# Altium PCB BMS.PcbDoc (part 2 of 3)
Units mm, origin at the board's own origin, x right, y up, seen from the top; angles counter-clockwise.
Board outline 90.28 x 95.99 mm, 8 copper layers (Top Layer (SIG), Layer 1 (GND, Layer 2 (SIG), Layer 3 (PWR), Layer 4 (PWR), Layer 5 (SIG), Layer 6 (GND), Bottom Layer (SIG)), stack 1.028 mm thick; 233 components, 137 nets, 697 pads, 625 vias.
Unrouted connection lines stored in the file: 2.
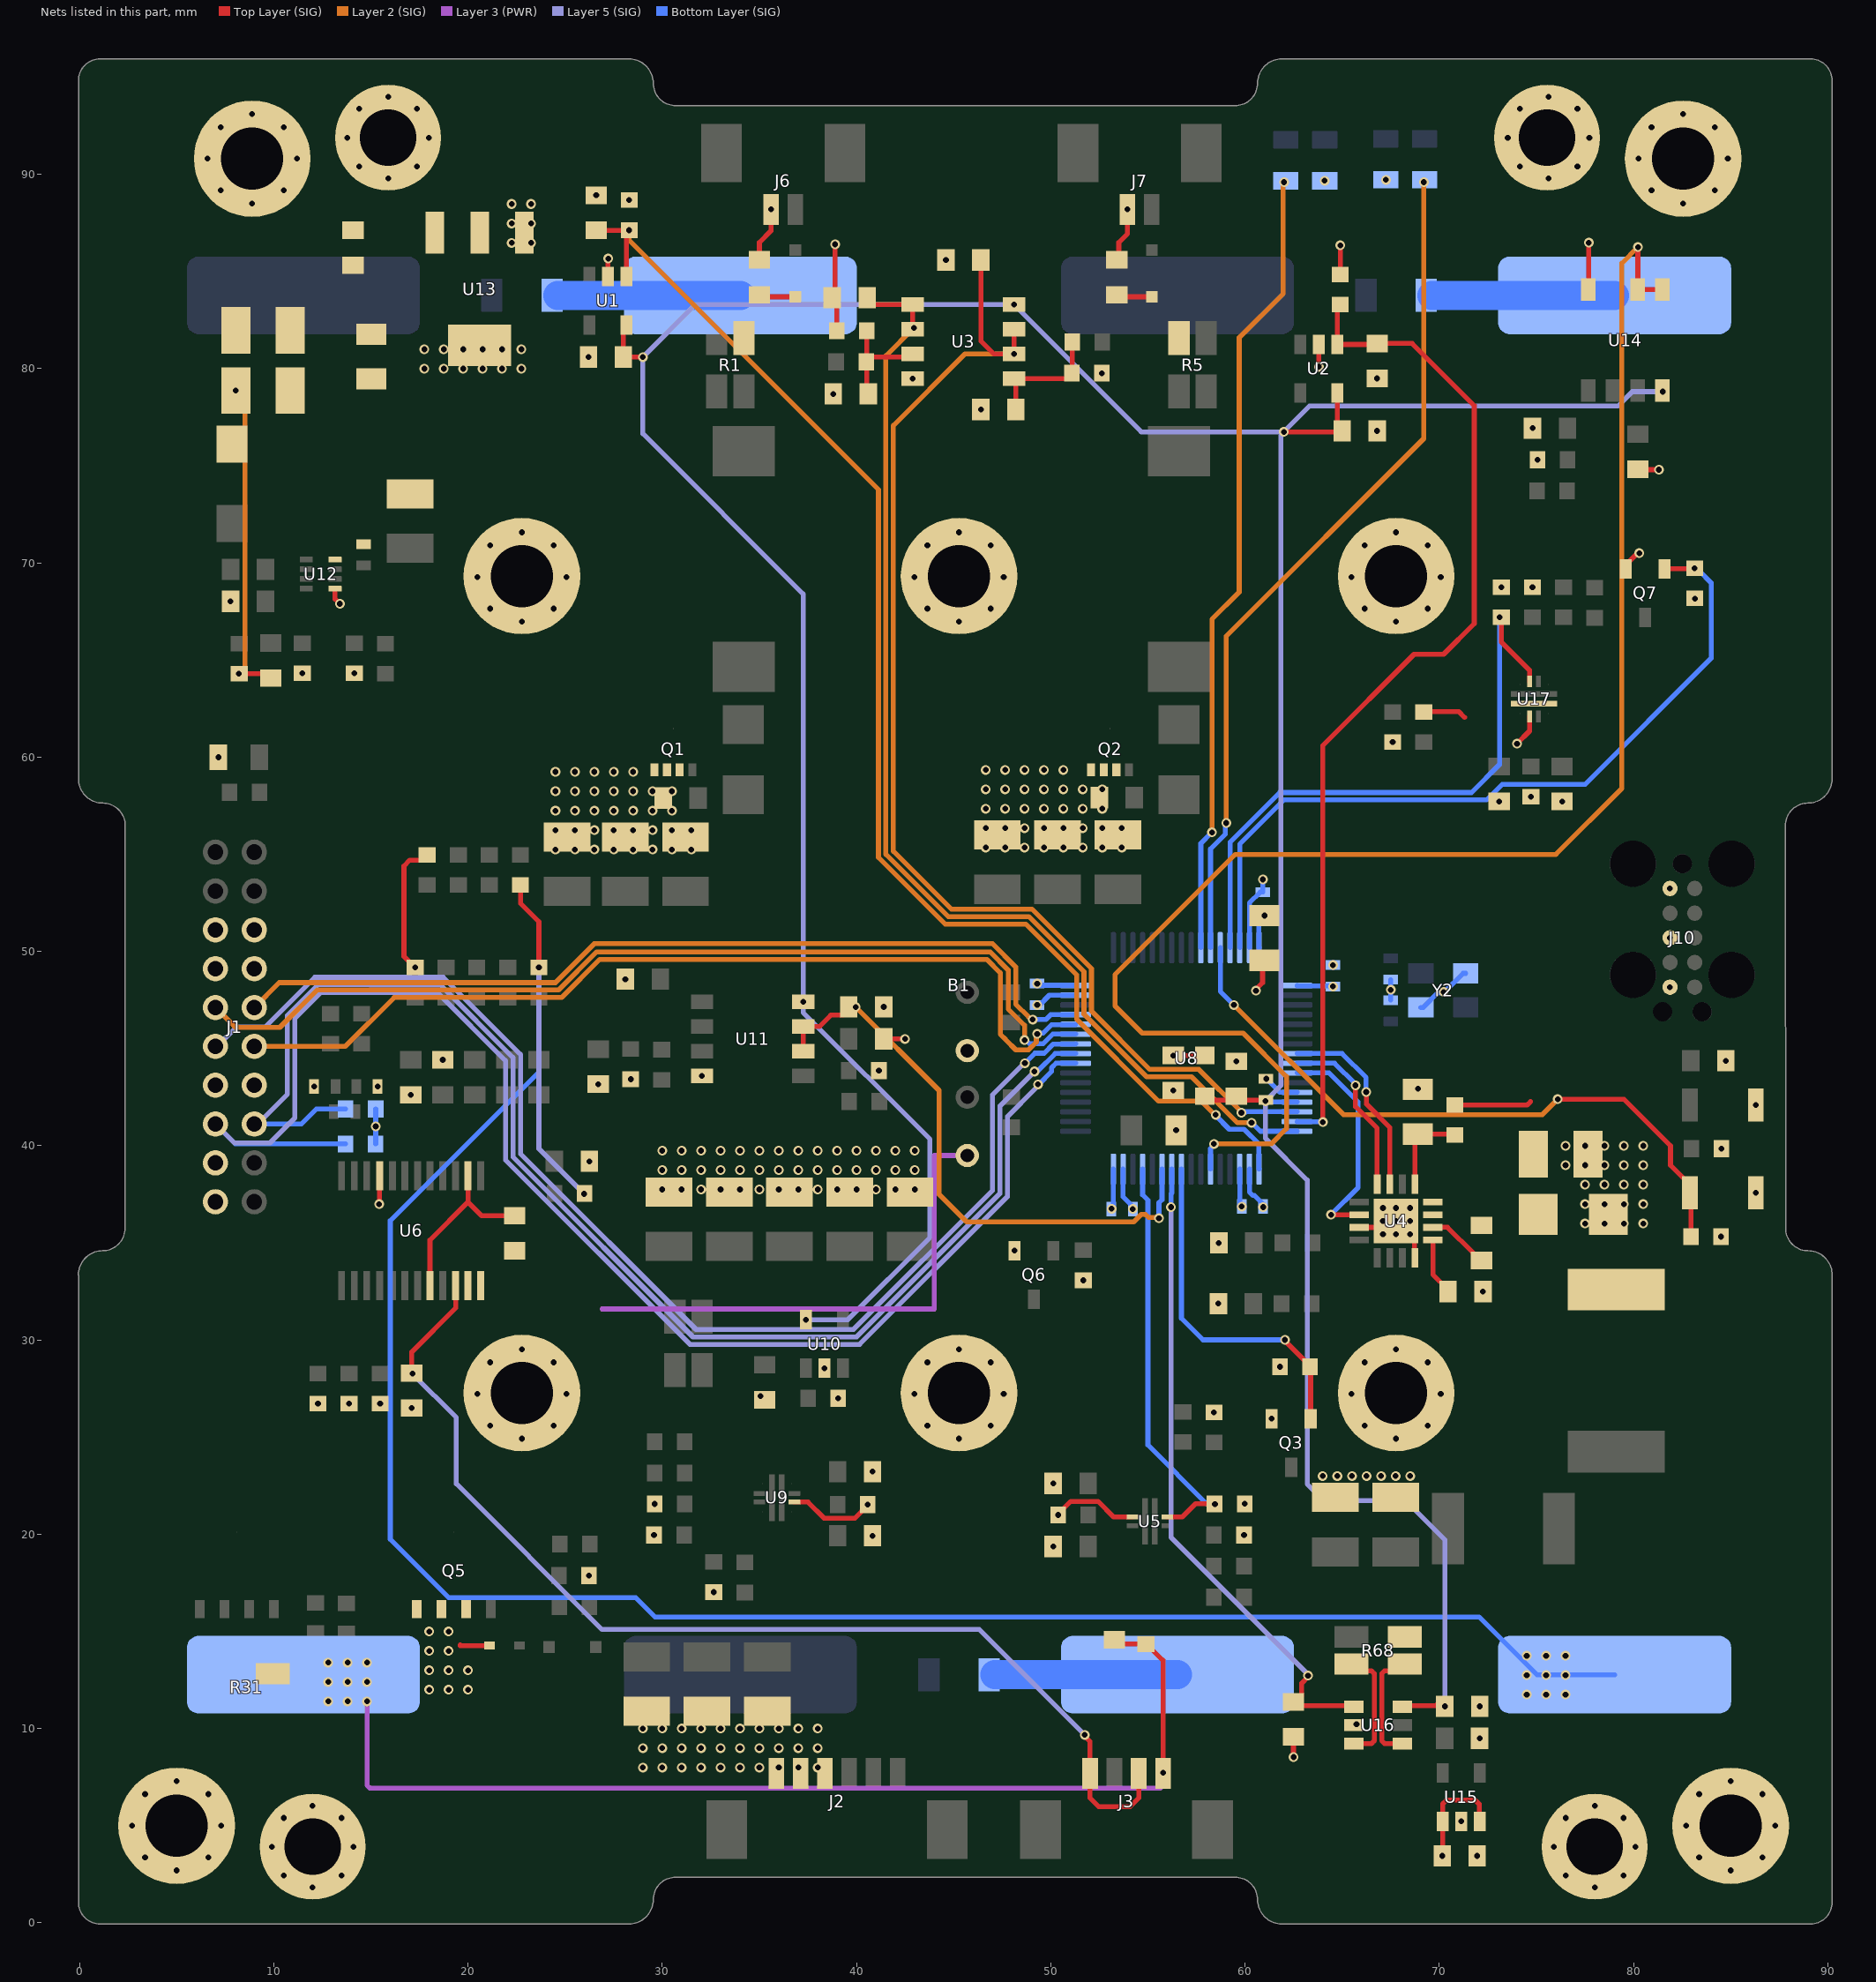
[diagram p8: the nets of this part, all layers, seen from the top]

## Part data (continued)
C69 C70: library part CAPC0603, "1 µF ±10% 16V Ceramic Capacitor X7R 0603 (1608 Metric)", Capacitance=1uF, Case Code=0603, Distributor Part Number=1276-1019-1-ND, Tolerance=10%, Voltage Rating=16V, Distributor=Digikey, Manufacturer Part Number=CL10B105KO8NNNC
C82 C84 C86: "100nF 50V X7R ±10% 0603 Multilayer Ceramic Capacitors MLCC - SMD/SMT ROHS", Capacitance=100nF, Case Code=0603, Dielectric=X7R, Distributor Part Number=C14663, Tolerance=10%, Voltage Rating=50V, Distributor=JLCPCB, Part Number=CC0603KRX7R9BB104
D1 D3: "Diode Schottky 20V 2A Fast Recovery", Current - Average=2A, Distributor Part Number=SMD22WS-TPMSCT-ND, fORWARD vOLTAGE=550mV, Operating Temperature="-55°C ~ 125°C", Voltage - DC Reverse=20V, Distributor=Digikey, Part Number=SMD22WS-TP
D2 D4 D5: "Diode Schottky 40V 3A 450mV FVf Fast Recovery", Current - Average Rectified=3A, Distributor Part Number=B340LA-FDICT-ND, Operating Temperature="-55°C ~ 125°C", Voltage - DC Reverse (Max)=40V, Voltage - Foward=450mV, Distributor=Digikey, Part Number=B340LA-13-F
D6: "Small Signal Switching Diode 150V 200mW", Distributor Part Number=C151448, Operating Temperature="-55 to 150C", Part Number=BAV20WS-7-F, Distributor=JLCPCB, Ifsm=3@100us, Ir (Max)=100n, Vr (Max)=200
D7: "Zener Diode 12 V 300 mW ±5% Surface Mount SOD-523", Distributor Part Number=C507911, Operating Temperature="-65°C ~ 150°C", Power - Max=300mW, Voltage - Zener=12V, Distributor=JLCPCB, Part Number=BZT52C12T-7
D8: library part LEDR0805, "Red 621nm LED Indication - Discrete 2V 0805 (2012 Metric)", Colour=Red, Distributor Part Number=160-1178-1-ND, Distributor=Digikey, Manufacturer Part Number=LTST-C170EKT
D9: library part LEDG0805, "Green 569nm LED Indication - Discrete 2.1V 0805 (2012 Metric)", Colour=Green, Distributor Part Number=160-1179-1-ND, Distributor=Digikey, Manufacturer Part Number=LTST-C170GKT
D10: "Red 631nm LED Indication - Discrete 2V 0805 (2012 Metric)", Colour=Red, Distributor Part Number=160-1427-1-ND, Operating Temperature=-30℃~+85℃, Distributor=Digikey, Part Number=LTST-C171KRKT
F1 F2 F3: library part SF-1206SA300W-2, "Fuse Surface Mount 5A Slow Blow 50A Interrupt 1206", Breaking Capacity=50A, Current Rating=5A, Distributor Part Number=118-SF-1206SA500W-2CT-ND, Interrupt Rating="50A at 125VAC 50A at 125VDC", Max Temperature=125C, Min Temperature=-55C, Voltage Rating - DC=65V, Distributor=Digikey, Fuse Size="9.73 mm x 5.03 mm", Part Number=SF-1206SA500W-2
FB1: "Ferrite Bead 320 Ohms @ 100 MHz 1 Ferrite Bead 0805 (2012 Metric) 2.5A 50mOhm", Current Rating=2.5A, Distributor Part Number=732-6125-1-ND, Operating Temperature="-55°C ~ 125°C", DCR=50mOhm, Distributor=Digikey, Impedance="320 Ohms @ 100 MHz", Part Number=74279220321
J1: "Connector Self Mating 20 Position , Non-Gendered, Hermaphroditic Through Hole Gold", Contact Rating=3.2A, Distributor Part Number=SAM9665-ND, Operating Temperature="-55C ~ 125C", Voltage Rating=475VAC, Distributor=Digikey, Number of Positions=20, Number of Rows=2, Part Number=LS2-110-01-L-D
J2: "Connector Header Surface Mount, Right Angle 6 position 0.049\" (1.25mm) Picoblade", Contact Current (Max)=1A, Distributor Part Number=C225115, Material Flammability Rating="UL94 V-0", Distributor=JLCPCB, Number of Positions=6, Part Number=0532610671
J3: "Connector Header Surface Mount, Right Angle 4 position 0.049\" (1.25mm) Molex Picoblade", Distributor Part Number=C225113, Max Current Per Contact=1A, Distributor=JLCPCB, Number of Positions=4, Number of Rows=2, Part Number=0532610471
J6 J7: "Connector Header, Picoblade Surface Mount, Right Angle 2 position 0.049\" (1.25mm)", Distributor Part Number=WM7620CT-ND, Max Current Per Contact=1A, Distributor=Digikey, Number of Positions=2, Number of Rows=1, Part Number=0532610271
J10: "JTAG Pogo Programmer Pads", Programmer Part Number=TC2050-IDC
L1 L2: "Inductor 100uH Shielded Drum Core, 1.9A 148mOhm", Current Rating=1.9A, DC Resistance=148mOhm, Distributor Part Number=445-174227-1-ND, Inductance=100uH, Operating Temperature="-20°C ~ 105°C", Saturation Current=1.6A, Distributor=Digikey, Part Number=SLF12565T-101M1R6-PF
L3: "Inductor 10 µH , 4.4 A 30.4mOhm Max Shielded Drum Core", Current Rating=4.4A, Distributor Part Number=490-10846-1-ND, Inductance=10uH, Part Number=1274AS-H-100M=P3, Saturation Current=6.2A, DCR=30.4mOhm, Distributor=Digikey
L4: "Inductor 5.6uH 4.5A Shielded 28.5mOhm SMD", Current Rating=4.5A, Distributor Part Number=732-6183-1-ND, Saturation Current=4.6A, DCR=28.5mOhm, Distributor=Digikey, Part Number=744316560
MECH5 MECH6 MECH7 MECH8 MECH9 MECH10: library part "M3x0.5px8mm Bolt", "M3 x 0.50p x 8mm Full Thread Metric Coarse Socket Head Cap Screw (2.5mm Key) A4-70 Stainless G316 DIN 912 / ISO 4762", Distributor Part Number="M3 x 0.50p x 8mm", Distributor="Bolt and Nut Australia", Part Number="M3 x 0.50p x 8mm"
Q1 Q2: "N-MOSFET 40 V , 85 A, 3.8 mΩ Rds(on) @ 10 V, WDFN-8 3.3×3.3 mm, low Qg (~18 nC)", Current - Continuous Drain (Id)=20A, Manufacturer=Onsemi, Operating Temperature="-55°C ~ 175°C", Part Number=NTTFS5C454NL, Power Dissipation (Max) (Ta)=3.2W, ComponentLink1Description=Datasheet, ComponentLink1URL=https://www.onsemi.com/pdf/datasheet/nttfs5c454nl-d.pdf, Gate Charge (Qg) (Max) @ Vgs="18nC @ 10V", Rds On (Max)=3.8mOhm, Vdss=40V, Vgs (Max)=20V
Q3 Q6 Q7: "N-Channel 60 V 200mA (Ta) 320mW (Ta) Surface Mount SOT-23-3", Distributor Part Number=T2N7002AKLMCT-ND, Drain to Source Voltage=60V, Operating Temperature="-55C - 150C", Power Dissipation (Max)="320mW (Ta)", (Id) @ 25°C=200mA, Distributor=Digikey, Part Number=T2N7002AK,LM, Rds On (Max) @ Id, Vgs=3.9ohm, Vgs(th) (Max) @ Id="2.1V @ 250µA"
Q4 Q5: "80V N-Channel 23A (Ta), 100A (Tc) 2.5W (Ta), 156W (Tc) Surface Mount PG-TDSON-8-6", Distributor Part Number=C5955453, Drive Voltage=6V~10V, Operating Temperature="-55°C ~ 150°C (TJ)", Power Dissipation=3.1W, Power Dissipation (Max)="2.5W (Ta), 156W (Tc)", Distributor=JLCPCB, Id=23, Manufacturer Part Number=BSC026N08NS5, Qg=92nC@10V, Rds On (Max) @ Id, Vgs="2.6mOhm @ 50A, 10V", Vds (Max)=4, Vgs (Max)=20, Vth=3.8V
R1 R5 R58 R68: "Resistor, Current Sense 50 mOhms ±0.25% 0.5W, Moisture Resistant Thick Film", Manufacturer=Ohmite, Power=0.5W, Resistance=50mOhm, Temperature Coefficient=±50ppm/°C, Tolerance=0.25%, Part Number=LVK12R050CER
R2 R6: "27 kOhms ±1% 0.1W, 1/10W Chip Resistor 0603 (1608 Metric) Automotive AEC-Q200 Thick Film", Case Code=0603, Distributor Part Number=RMCF0603FT27K0CT-ND, Resistance=27K, Tolerance=1%, Distributor=Digikey, Part Number=RMCF0603FT27K0
R3 R7 R10 R38 R40 R55 R61 R63 R65 R67 R78 R79 R80 R81: "10 kOhms ±1% 0.1W, 1/10W Chip Resistor 0603 (1608 Metric) Automotive AEC-Q200 Thick Film", Case Code=0603, Distributor Part Number=RMCF0603FT10K0CT-ND, Resistance=10K, Tolerance=1%, Distributor=Digikey, Part Number=RMCF0603FT10K0
R4 R8 R44 R45 R57 R59: "100 kOhms ±1% 0.1W, 1/10W Chip Resistor 0603 (1608 Metric) Automotive AEC-Q200 Thick Film", Case Code=0603, Distributor Part Number=RMCF0603FT100KCT-ND, Resistance=100K, Tolerance=1%, Distributor=Digikey, Part Number=RMCF0603FT100K
R9: "10 Ohms ±1% 0.1W, 1/10W Chip Resistor 0603 (1608 Metric) Automotive AEC-Q200 Thick Film", Case Code=0603, Distributor Part Number=RMCF0603FT10R0CT-ND, Resistance=10R, Tolerance=1%, Distributor=Digikey, Part Number=RMCF0603FT10R0
R11 R41: "NTC Thermistor 10k Probe", Distributor Part Number=1912-TT6-10KC8-9-25-ND, Operating Temperature="-30°C ~ 120°C", Resistance @ 25C=10k, Distributor=Digikey, Part Number=TT6-10KC8-9-25
R12: "200 mOhms ±1% 1W Chip Resistor 2512 (6332 Metric) Anti-Sulfur, Automotive AEC-Q200, Current Sense, Moisture Resistant, Pulse Withstanding Metal Element", Distributor Part Number=541-10376-1-ND, Operating Temperature="-65°C ~ 275°C", Package=2512, Power=1W, Resistance=200mOhm, Tolerance=1%, Distributor=Digikey, Part Number=WSLT2512R2000FEB
R13 R20: "750 Ohms ±1% 0.1W, 1/10W Chip Resistor 0603 (1608 Metric) Automotive AEC-Q200 Thick Film", Case Code=0603, Distributor Part Number=RMCF0603FT750RCT-ND, Resistance=750R, Tolerance=1%, Distributor=Digikey, Part Number=RMCF0603FT750R
R14: "42.2 kOhms ±1% 0.1W, 1/10W Chip Resistor 0603 (1608 Metric) Automotive AEC-Q200 Thick Film", Case Code=0603, Distributor Part Number=RMCF0603FT42K2CT-ND, Resistance=42K2, Tolerance=1%, Distributor=Digikey, Part Number=RMCF0603FT42K2
R15 R16 R46 R47 R56 R69 R70: "470 kOhms ±1% 0.1W, 1/10W Chip Resistor 0603 (1608 Metric) Automotive AEC-Q200 Thick Film", Case Code=0603, Distributor Part Number=RMCF0603FT470KCT-ND, Resistance=470K, Tolerance=1%, Distributor=Digikey, Part Number=RMCF0603FT470K
R17: "11.3 kOhms ±1% 0.1W, 1/10W Chip Resistor 0603 (1608 Metric) Automotive AEC-Q200 Thick Film", Case Code=0603, Distributor Part Number=RMCF0603FT11K3CT-ND, Resistance=11K3, Tolerance=1%, Distributor=Digikey, Part Number=RMCF0603FT11K3
R18: "37.4 kOhms ±1% 0.1W, 1/10W Chip Resistor 0603 (1608 Metric) Automotive AEC-Q200 Thick Film", Case Code=0603, Distributor Part Number=RMCF0603FT37K4CT-ND, Resistance=37K4, Tolerance=1%, Distributor=Digikey, Part Number=RMCF0603FT37K4
R19 R21 R50 R52 R73 R76: "47kOhms 75V Thick Film Resistor ±1% ±100ppm/℃ 0603 Chip Resistor - Surface Mount ROHS", Case Code=0603, Distributor Part Number=C25819, Manufacturer=UNI-ROYAL, Resistance=47K, Tolerance=1%, Distributor=JLCPCB, Part Number=0603WAF4702T5E
R22 R53 R75: "3.48 kOhms ±1% 0.1W, 1/10W Chip Resistor 0603 (1608 Metric) Automotive AEC-Q200 Thick Film", Case Code=0603, Distributor Part Number=RMCF0603FT3K48CT-ND, Resistance=3.48K, Tolerance=1%, Distributor=Digikey, Part Number=RMCF0603FT3K48
R23 R34: "1 kOhms 75V Thick Film Resistor ±1% ±100ppm/℃ 0603 Chip Resistor - Surface Mount ROHS", Case Code=0603, Distributor Part Number=C21190, Manufacturer=UNI-ROYAL, Resistance=1K, Tolerance=1%, Distributor=JLCPCB, Part Number=0603WAF1001T5E
R24 R25 R26 R27 R28: "56 Ohms 75V Thick Film Resistor ±1% ±200ppm/℃ 0603 Chip Resistor - Surface Mount ROHS", Case Code=0603, Distributor Part Number=C25196, Manufacturer=UNI-ROYAL, Resistance=56R, Tolerance=1%, Distributor=JLCPCB, Part Number=0603WAF560JT5E
R29 R30: "100 Ohms 75V Thick Film Resistor ±1% ±100ppm/℃ 0603 Chip Resistor - Surface Mount ROHS", Case Code=0603, Distributor Part Number=C22775, Manufacturer=UNI-ROYAL, Resistance=100R, Tolerance=1%, Distributor=JLCPCB, Part Number=0603WAF1000T5E
R31: "10 mOhms ±1% 0.5W, 1/2W Chip Resistor 1206 (3216 Metric) Anti-Corrosive, Current Sense, Moisture Resistant Thick Film", Distributor Part Number=273-LVK12R010FERCT-ND, Manufacturer=Ohmite, Power=0.5W, Resistance=10mOhm, Temperature Coefficient=±50ppm/°C, Tolerance=0.25%, Distributor=Digikey, Part Number=LVK12R010FER
R32: "4.7 kOhms 75V Thick Film Resistor ±1% ±100ppm/℃ 0603 Chip Resistor - Surface Mount ROHS", Case Code=0603, Distributor Part Number=C23162, Manufacturer=UNI-ROYAL, Resistance=4.7K, Tolerance=1%, Distributor=JLCPCB, Part Number=0603WAF4701T5E
R33 R35 R36: "1 MOhms 75V Thick Film Resistor ±1% ±100ppm/℃ 0603 Chip Resistor - Surface Mount ROHS", Case Code=0603, Distributor Part Number=C22935, Manufacturer=UNI-ROYAL, Resistance=1M, Tolerance=1%, Distributor=JLCPCB, Part Number=0603WAF1004T5E
R37: "470kOhms ±1% 100mW 0603 Thick Film Resistor", Case Code=0603, Distributor Part Number=C23178, Manufacturer=UNI-ROYAL, Resistance=470K, Tolerance=1%, Distributor=JLCPCB, Part Number=0603WAF4703T5E
R39: "604 kOhms 75V Thick Film Resistor ±1% ±100ppm/℃ 0603 Chip Resistor - Surface Mount ROHS", Case Code=0805, Distributor Part Number=C23216, Manufacturer=UNI-ROYAL, Resistance=604K, Tolerance=1%, Distributor=JLCPCB, Part Number=0603WAF6043T5E
R42 R43: "120 Ohms ±1% 0.125W, 1/8W Chip Resistor 0805 (2012 Metric) Automotive AEC-Q200 Thick Film", Case Code=0805, Distributor Part Number=738-RMCF0805FT120RCT-ND, Resistance=120R, Tolerance=1%, Distributor=Digikey, Part Number=RMCF0805FT120R
R48 R71: "6.19 kOhms ±1% 0.1W, 1/10W Chip Resistor 0603 (1608 Metric) Automotive AEC-Q200 Thick Film", Case Code=0603, Distributor Part Number=RMCF0603FT6K19CT-ND, Resistance=6K19, Tolerance=1%, Distributor=Digikey, Part Number=RMCF0603FT6K19
R49 R72: "28 kOhms ±1% 0.1W, 1/10W Chip Resistor 0603 (1608 Metric) Automotive AEC-Q200 Thick Film", Case Code=0603, Distributor Part Number=RMCF0603FT28K0CT-ND, Resistance=28K, Tolerance=1%, Distributor=Digikey, Part Number=RMCF0603FT28K0
R51 R74: "1.2 kOhms ±1% 0.1W, 1/10W Chip Resistor 0603 (1608 Metric) Automotive AEC-Q200 Thick Film", Case Code=0603, Distributor Part Number=RMCF0603FT1K20CT-ND, Resistance=1K2, Tolerance=1%, Distributor=Digikey, Part Number=RMCF0603FT1K2
R54 R60 R66: "59 kOhms ±1% 0.1W, 1/10W Chip Resistor 0603 (1608 Metric) Automotive AEC-Q200 Thick Film", Case Code=0603, Distributor Part Number=RMCF0603FT59K0CT-ND, Resistance=59K, Tolerance=1%, Distributor=Digikey, Part Number=RMCF0603FT59K0
R62: "71.5 kOhms ±1% 0.1W, 1/10W Chip Resistor 0603 (1608 Metric) Automotive AEC-Q200 Thick Film", Case Code=0603, Distributor Part Number=RMCF0603FT71K5CT-ND, Resistance=71K5, Tolerance=1%, Distributor=Digikey, Part Number=RMCF0603FT71K5
R64: "52.3 kOhms ±1% 0.1W, 1/10W Chip Resistor 0603 (1608 Metric) Automotive AEC-Q200 Thick Film", Case Code=0603, Distributor Part Number=RMCF0603FT174KCT-ND, Resistance=52K3, Tolerance=1%, Distributor=Digikey, Part Number=RMCF0603FT52K3
R77: "2.2kOhms 75V Thick Film Resistor ±1% ±100ppm/℃ 0603 Chip Resistor - Surface Mount ROHS", Case Code=0603, Distributor Part Number=C4190, Manufacturer=UNI-ROYAL, Resistance=2K2, Tolerance=1%, Distributor=JLCPCB, Part Number=0603WAF2201T5E
R82 R83: "4.7 kOhms ±1% 0.1W, 1/10W Chip Resistor 0603 (1608 Metric) Automotive AEC-Q200 Thick Film", Case Code=0603, Distributor Part Number=RMCF0603FT4K70CT-ND, Resistance=4K7, Tolerance=1%, Distributor=Digikey, Part Number=RMCF0603FT4K7
S1 S2: "Tactile Switch SPST-NO Top Actuated Surface Mount", Distributor Part Number=SW1020CT-ND, Operating Temperature="-25°C ~ 70°C", Distributor=Digikey, Part Number=B3U-1000P
U1 U2 U10: "40V Current Sense Amplifier 1 Circuit 8-MSOP", Distributor Part Number=INA139NA/250CT-ND, Operating Temperature="-40°C ~ 125°C", Accuracy=0.5%, Distributor=Digikey, Part Number=INA139NA/250
U3 U11 U14: "Operational Amplifier general purpose, 2-Circuit 1.8V ~ 5.5V 1MHz", Distributor Part Number=150-MCP6007T-E/SNCT-ND, Input Voltage="1.8V ~ 5.5V", Operating Temperature="-40°C ~ 125°C", Distributor=Digikey, Gain Bandwidth Product=1MHz, Part Number=MCP6007T-E/SN, Slew Rate=1.9V/us
U4: "Charger IC Lithium Ion 24V Input, 2A, 600kHz, 4S Cell Switching", Battery Pack Voltage=16.8V, Distributor Part Number=1589-1993-1-ND, Operating Temperature=-20C~125C, Voltage Supply (Max)=24V, Distributor=Digikey, Part Number=MP26124GR-Z
U5: "eFuse 5.5A, 2.7V~23V, 28mOhm, Reverse Current Blocking with Input Reverse Polarity Protection", Distributor Part Number=C2864845, Operating Temperature="-40°C ~ 125°C", Output Current=5.5A, Voltage Input=2.7V~23V, Distributor=JLCPCB, Part Number=TPS259474LRPWR
U6: "Battery Battery Protection IC Lithium Ion/Polymer 24-TSSOP", Distributor Part Number=296-50995-1-ND, Operating Temperature=-25C~85C, Distributor=Digikey, OV Delay=1s, OV Threshold=4200mV, Part Number=BQ7791500PWR, UV Delay=1s, UV Threshold=2900mV
U8: "ARM® Cortex®-M4 STM32F4 Microcontroller IC 32-Bit 180MHz 512KB (512K x 8) FLASH 64-LQFP (10x10)", Operating Temperature=-40C~105C, Part Number=STM32F446RET6, Voltage - Supply="1.7V ~ 3.6V", ComponentLink1Description=Datasheet, Core Size=32-Bit, RAM Size="128K x 8", Speed=180MHz
U9 U17: "eFuse 5.5A, 2.7V~23V, 28mOhm, Reverse Current Blocking with Input Reverse Polarity Protection", Distributor Part Number=296-TPS259474LRPWRCT-ND, Operating Temperature="-40°C ~ 125°C", Output Current=5.5A, Voltage Input=2.7V~23V, Distributor=Digikey, Part Number=TPS259474LRPWR
U12: "Buck Switching Regulator IC Positive Adjustable 0.8V 1 Output 3A SOT-583", Current Output=3A, Distributor Part Number=296-TPS62933DRLRCT-ND, Operating Temperature="-40°C ~ 150°C (TJ)", Voltage - Input (Max)=30V, Voltage - Input (Min)=3.8V, Voltage - Output (Max)=22V, Voltage - Output (Min)=0.8V, Distributor=Digikey, Part Number=TPS62933DRLR
U13: "3.3V 800-mA, 15-V, linear voltage regulator 4-SOT-223 -40 to 125", Distributor Part Number=296-26777-5-ND, Dropout Voltage=1.2V, Input Voltage - Max=15V, Input Voltage - Min=4.7V, Operating Temperature=-40C~125C, Output Current=800mA, Output Voltage=3.3V, Distributor=Digikey, Part Number=TLV1117-33IDCY
U15: "Linear Voltage Regulator IC Positive Fixed 1.5V Output 200mA TSOT-23-5", Current - Output=200mA, Distributor Part Number=505-ADPL40502AUJZ-1.5-R7CT-ND, Operating Temperature="-40°C ~ 125°C (TA)", Voltage - Input (Max)=5.5V, Voltage Dropout (Max)="0.23V @ 200mA", Voltage Output=1.5V, Distributor=Digikey, Part Number=ADPL40502AUJZ-1.5-R7
U16: "Current Sense Amplifier Bidirectional 100V/V", Distributor Part Number=296-47658-1-ND, Operating Temperature="-40°C ~ 125°C", Accuracy=0.5%, Distributor=Digikey, Gain=100V/V, Part Number=INA181A3IDBVR
Y2: "Crystals 12.0 MHZ 18PF 20PPM 120OHM", Frequency=12MHz, Load Capacitance=10pF, Operating Temperature="-40C to 125C", ESR=100R, Part Number=830069882

## Via types
v1: diameter 0.5, hole 0.3, Top Layer (SIG) to Bottom Layer (SIG), tented both sides, 513 vias
v2: diameter 0.6, hole 0.3, Top Layer (SIG) to Bottom Layer (SIG), 80 vias
v3: diameter 0.5, hole 0.3, Top Layer (SIG) to Bottom Layer (SIG), 32 vias

## Nets (pads, with @x,y where several pads share a name; then routed paths per layer and width w, separated by ;. In a path a pad name is that pad's centre, name@x,y a point inside that pad or via, vN(x,y) a via of type N, cw(c..) or ccw(c..) an arc to the next point about the centre after c; other vN are vias at no path point)
+3V3: C68.2 C69.2 C73.2 C74.2 C75.2 C76.2 C77.2 C78.2 C83.2 FB1.1 J10.1 R19.2 R42.2 R43.2 R45.2 R50.2 R73.2 R82.2 R83.2 S1.1 U8.1 U8.19 U8.32 U8.48 U8.64 U13.2 U13.4 U15.1 U15.3 | length 18.8
  Top Layer (SIG) w0.254: v1(56.3,44.65) FB1.1@57.925,44.65 ; v1(70.15,3.45) 70.175,3.475 U15.1@70.175,5.225 70.175,6.125 70.368,6.318 71.857,6.318 72.062,6.113 U15.3@72.062,5.238
  Bottom Layer (SIG) w0.254: R83.2@15.245,40.093 15.249,40.096 R82.2@15.249,41.9 ; v1(49.3,48.35) 49.387,48.263 51.262,48.263 U8.48@51.275,48.25 ; C73.2@53.125,36.75 53.212,36.837 53.212,38.787 U8.32@53.225,38.8 ; C73.2@53.125,36.75 v1(53.13,36.756) ; U8.19@59.725,38.8 59.738,38.787 59.738,36.962 v1(59.825,36.875) ; C75.2@60.712,51.95 60.712,50.213 U8.64@60.725,50.2 ; C75.2@60.905,51.969 C75.2@60.918,51.957 ; U8.1@62.675,48.25 62.688,48.237 64.488,48.237 v1(64.525,48.2)
  other v1: 29.575,19.965 59.975,21.569 86.3,37.575 84.524,39.85 15.249,40.998 61,51.85 81.875,53.25 73.195,68.749 17.75,80 18.75,80 19.75,80 20.75,80 21.75,80 22.75,80 17.75,81 18.75,81 19.75,81 20.75,81 21.75,81 22.75,81 64.1,89.675 67.25,89.725
+3V3A: C4.2 C16.2 C70.2 C72.2 C84.1 FB1.2 U1.5 U2.5 U3.8 U8.13 U10.5 U11.8 U14.8 U16.6 | length 203.1
  Top Layer (SIG) w0.254: U1.5@28.15,82.25 28,82.25 C4.2@28,80.6 v1(29,80.6) ; FB1.2@57.925,42.55 58.125,42.35 C72.2@61,42.35 ; v1(62,76.75) 64.75,76.75 U2.5@64.75,78.75 ; U16.6@68.248,11.175 69.825,11.175 C84.1@69.9,11.25
  Layer 5 (SIG) w0.254: v1(37.4,31.05) 39.55,31.05 43.781,35.281 43.781,40.338 37.255,46.864 v1(37.255,47.405) 37.255,68.4 29,76.655 v1(29,80.6) 31.705,83.305 v1(48.105,83.305) 54.66,76.75 v1(62,76.75) 62,76.683 61.851,76.535 61.851,43.101 v1(61.05,42.3) 61.05,40.386 63.2,38.236 63.2,22.587 64.059,21.728 68.272,21.728 70.282,19.718 v1(70.282,11.144) ; v1@61.995,76.755 63.316,78.076 79.195,78.076 79.938,78.819 v1(81.503,78.819)
  Bottom Layer (SIG) w0.254: v1(61.05,42.3) 61.1,42.25 U8.13@62.675,42.25
+5V: C64.2 C65.2 C66.2 C67.2 L4.2 R64.2 U13.3 | length 16.6
  Top Layer (SIG) w0.254: R64.2@8.225,64.301 9.624,64.301 C67.2@9.85,64.075
  Layer 2 (SIG) w0.254: v1(8.05,78.875) 8.05,78.808 8.52,78.338 8.52,64.62 v1(8.2,64.3)
AVDD: C35.2 U6.2 U6.20 | length 9.2
  Top Layer (SIG) w0.254: U6.20@18.04,32.8 18.04,35.148 19.996,37.104 ; U6.2@19.996,38.45 19.996,37.104 ; C35.2@22.4,36.4 20.7,36.4 19.996,37.104
BAT-: B1.7 C34.1 C35.1 C39.1 C40.2 C42.2 C43.1 C81.1 C82.1 J3.4 R28.1 R31.1 R38.1 R39.1 R41.1 R57.1 R81.1 U6.9 U6.23 U6.24 | length 89.9
  Top Layer (SIG) w0.254: v1(15.426,36.997) 15.438,37.009 15.438,38.438 U6.9@15.449,38.45 ; v1(17.275,49.174) 17.238,49.174 16.964,49.447 16.964,49.484 16.7,49.749 16.7,54.4 17.001,54.701 17.627,54.701 R81.1@17.9,54.974 ; C81.1@53.275,14.575 53.501,14.349 R57.1@54.9,14.349 54.937,14.349 55.775,13.512 J3.4@55.775,7.7
  Layer 3 (PWR) w0.254: v1(14.8,11.4) 14.8,7.084 14.949,6.935 55.626,6.935 55.775,7.084 v1(55.775,7.734) ; 26.9,31.6 44,31.6 44,39.5 R41.1@45.7,39.5
  other v1: 12.8,11.4 13.8,11.4 12.8,12.4 13.8,12.4 14.8,12.4 12.8,13.4 13.8,13.4 14.8,13.4 17.1,26.5 13.875,26.725 15.475,26.725 26.25,39.2 17.05,42.624 12.075,43.05 15.35,43.05 18.7,44.424
BAT_PG: R19.1 U5.3 U8.29 | length 21.7
  Top Layer (SIG) w0.254: U5.3@56,20.894 56.769,20.894 57.45,21.575 58.42,21.575 R19.1@58.426,21.569
  Bottom Layer (SIG) w0.254: U8.29@54.725,38.8 54.725,37.475 55,37.2 55,24.6 58.05,21.55 v1@58.45,21.55
  other v1: 58.45,21.554
BAT_PRES: C82.2 J3.1 J3.3 U6.22 | length 57.3
  Top Layer (SIG) w0.25: C82.2@17.1,28.3 17.1,29.384 19.381,31.664 19.381,32.78 U6.22@19.361,32.8 ; v1(51.75,9.675) 51.75,9.607 52.025,9.332 J3.1@52.025,7.7 52.025,6.425 52.475,5.975 54.075,5.975 54.525,6.425 J3.3@54.525,7.7
  Layer 5 (SIG) w0.25: v1(17.139,28.271) 19.4,26.01 19.4,22.6 26.9,15.1 46.325,15.1 v1(51.75,9.675)
BAT_SHDN: Q3.G R15.2 U8.25 | length 18.1
  Top Layer (SIG) w0.254: v1(62.049,30.011) 62.049,29.959 63.342,28.665 R15.2@63.342,28.628 63.375,28.595 Q3.G@63.375,25.95
  Bottom Layer (SIG) w0.254: U8.25@56.725,38.8 56.725,31.125 57.839,30.011 v1(62.049,30.011)
BAT_SHUNT_N: R68.2 U16.4 | length 6
  Top Layer (SIG) w0.254: U16.4@68.094,9.227 67.185,9.227 67.036,9.375 67.036,12.829 67.185,12.978 67.747,12.978 68.094,13.325 R68.2@68.219,13.325
BAT_SHUNT_P: R68.3 U16.3 | length 6
  Top Layer (SIG) w0.254: R68.3@65.469,13.325 65.594,13.325 65.942,12.978 66.504,12.978 66.652,12.829 66.652,9.375 66.504,9.227 U16.3@65.594,9.227
BAT_TMON: U8.22 U14.1 U14.2 | length 81.8
  Top Layer (SIG) w0.254: v1(80.228,86.262) 80.219,86.253 80.219,84.089 U14.2@80.21,84.08 U14.1@81.48,84.08
  Layer 2 (SIG) w0.254: v1(58.4,40.1) 61.357,40.1 62.134,40.877 62.134,43.566 59.9,45.8 54.707,45.8 53.3,47.207 53.3,48.8 59.5,55 76,55 79.4,58.4 79.4,85.434 v1(80.228,86.262)
  Bottom Layer (SIG) w0.254: U8.22@58.225,38.8 58.225,39.858 58.4,40.033 v1(58.4,40.1)
BATT_IMON: C86.2 U8.26 U16.1 | length 34.2
  Top Layer (SIG) w0.254: C86.2@62.275,11.175 U16.1@65.748,11.175 ; C86.2@62.491,11.38 62.591,11.38 62.914,11.703 62.914,12.337 63.241,12.664 v1(63.241,12.73)
  Layer 5 (SIG) w0.254: v1(56.184,36.846) 56.184,19.85 v1@63.25,12.784
  Bottom Layer (SIG) w0.254: v1(56.184,36.846) 56.184,37.529 56.225,37.57 U8.26@56.225,38.8
BATT_VMON: C50.2 U8.27 U11.6 U11.7 | length 30.6
  Top Layer (SIG) w0.254: U11.6@37.255,44.865 U11.7@37.255,46.135 38.085,46.135 38.677,46.727 39.277,46.727 39.6,47.05 C50.2@39.6,47.15 39.949,47.15 v1(39.954,47.145)
  Layer 2 (SIG) w0.254: v1(39.954,47.145) 44.25,42.849 44.25,37.5 45.668,36.082 54.274,36.082 54.662,36.47 54.872,36.47 55.026,36.316 55.522,36.316 v1(55.569,36.269)
  Bottom Layer (SIG) w0.254: v1(55.569,36.269) 55.569,37.072 55.725,37.228 U8.27@55.725,38.8
BMS_nCE: J1.12 U8.42 | length 65.2
  Layer 5 (SIG) w0.254: J1.12@7,45.118 7.075,45.118 8.068,46.111 9.552,46.111 12.113,48.672 17.06,48.672 17.065,48.667 17.485,48.667 17.49,48.672 18.728,48.672 22.7,44.7 22.7,39.583 31.74,30.543 39.843,30.543 47,37.7 47,42.626 48.626,44.251 v1(48.667,44.251)
  Bottom Layer (SIG) w0.254: v1(48.667,44.251) 49.183,44.768 49.662,44.768 50.131,45.237 51.262,45.237 U8.42@51.275,45.25
BMS_nINT: J1.9 U8.45 | length 46.5
  Layer 2 (SIG) w0.254: J1.9@9,47.118 10.282,48.4 24.5,48.4 26.5,50.4 47,50.4 48.195,49.205 48.195,47.294 48.868,46.621 48.88,46.621 49.003,46.498 v1(49.07,46.498)
  Bottom Layer (SIG) w0.254: v1(49.07,46.498) 49.743,46.498 49.995,46.75 U8.45@51.275,46.75
BMS_nQON: J1.11 U8.44 | length 48.7
  Layer 2 (SIG) w0.254: J1.11@9,45.118 13.681,45.118 16.195,47.632 24.818,47.632 26.784,49.598 46.702,49.598 47.4,48.9 47.4,45.743 47.684,45.459 47.684,45.45 48.199,44.935 48.856,44.935 49.255,45.334 49.255,45.71 v1(49.302,45.757)
  Bottom Layer (SIG) w0.254: v1(49.302,45.757) 49.349,45.805 49.612,45.805 50.045,46.237 51.262,46.237 U8.44@51.275,46.25
BMS_nSTAT: J1.10 U8.43 | length 50.1
  Layer 2 (SIG) w0.254: J1.10@7,47.118 8.024,46.094 10.314,46.094 12.236,48.016 24.659,48.016 26.625,49.982 46.875,49.982 47.811,49.046 47.811,47.04 48.646,46.205 v1(48.646,45.442)
  Bottom Layer (SIG) w0.254: v1(48.646,45.442) 48.713,45.442 48.907,45.248 49.599,45.248 50.101,45.75 U8.43@51.275,45.75
BMS_SCL: J1.15 R82.1 U8.41 | length 71.8
  Layer 5 (SIG) w0.254: J1.15@9,41.118 9.159,41.118 10.7,42.66 10.7,46.715 12.272,48.288 14.956,48.288 14.961,48.283 18.574,48.283 22.316,44.541 22.316,39.424 31.581,30.159 40.002,30.159 47.384,37.541 47.384,42.051 v1(49.157,43.825)
  Bottom Layer (SIG) w0.254: J1.15@9,41.118 11.418,41.118 12.2,41.9 R82.1@13.7,41.9 ; v1(49.157,43.825) 49.205,43.872 49.35,43.872 50.228,44.75 U8.41@51.275,44.75
BMS_SDA: J1.16 R83.1 U8.40 | length 77.1
  Layer 5 (SIG) w0.254: J1.16@7,41.118 7.976,40.142 9.79,40.142 11.084,41.436 11.084,46.556 12.427,47.899 18.415,47.899 21.932,44.382 21.932,39.265 31.422,29.775 40.161,29.775 47.768,37.382 47.768,41.503 49.218,42.953 49.218,42.972 49.341,43.095 v1(49.341,43.161)
  Bottom Layer (SIG) w0.254: J1.16@7,41.118 8.025,40.093 R83.1@13.696,40.093 ; v1(49.341,43.161) 49.379,43.161 50.034,43.816 50.034,44.013 50.122,44.101 50.271,44.25 U8.40@51.275,44.25
BOOT0: R44.2 S1.2 U8.60 | length 34.5
  Top Layer (SIG) w0.254: v1(76.1,42.4) 79.5,42.4 81.9,40 81.9,39 82.602,38.298 82.627,38.298 82.9,38.025 S1.2@82.9,37.575 82.95,37.524 R44.2@82.95,35.325
  Layer 2 (SIG) w0.254: v1(59.425,47.25) 65.075,41.6 75.3,41.6 v1(76.1,42.4)
  Bottom Layer (SIG) w0.254: U8.60@58.725,50.2 58.725,47.95 v1(59.425,47.25)
CHG_PG: R73.1 U8.61 U17.3 | length 32.4
  Top Layer (SIG) w0.254: R73.1@73.195,67.2 73.195,65.93 74.65,64.475 U17.3@74.65,63.9
  Bottom Layer (SIG) w0.254: U8.61@59.225,50.2 59.225,55.625 61.784,58.184 71.658,58.184 73.1,59.626 v1(73.1,67.2)
CHG_SHDN: Q7.G R69.2 U8.62 | length 40.2
  Top Layer (SIG) w0.254: Q7.G@81.595,69.7 83.12,69.7 v1(83.145,69.725)
  Bottom Layer (SIG) w0.254: U8.62@59.725,50.2 59.725,55.525 62,57.8 72.434,57.8 73.234,58.6 77.5,58.6 84,65.1 84,68.973 83.371,69.602 83.335,69.602 83.212,69.725 v1(83.145,69.725)
GND: B1.CASE C1.1 C2.1 C3.1 C4.1 C5.1 C6.1 C7.1 C8.1 C9.1 C10.1 C11.1 C12.1 C13.1 C14.1 C15.1 C16.1 C17.1 C18.1 C19.1 C20.1 C21.1 C22.1 C23.1 C25.1 C26.1 C27.1 C28.1 C29.1 C30.1 C31.1 C44.1 C45.1 C46.1 C47.1 C48.1 C49.1 C50.1 C51.1 C52.1 C53.1 C54.1 C55.1 C56.1 C57.1 C58.1 C59.1 C61.1 C62.1 C64.1 C65.1 C66.1 C68.1 C69.1 C70.1 C71.1 C72.1 C73.1 C74.1 C75.1 C76.1 C77.1 C78.1 C79.1 C80.1 C83.1 C84.2 C85.1 C86.1 C87.2 C88.2 D5.A D7.A D10.K J1.5 J1.6 J1.7 J1.8 J1.13 J1.14 J1.18 J1.20 J2.1 J2.2 J2.3 J6.2 J7.2 J10.3 J10.5 MECH1.1 MECH2.1 MECH3.1 MECH4.1 MECH11.1 MECH12.1 MECH13.1 MECH14.1 Q1.S Q2.S Q3.S Q5.S Q6.S Q7.S R3.1 R4.1 R7.1 R8.1 R11.1 R15.1 R18.1 R20.1 R22.1 R36.1 R37.1 R44.1 R46.1 R49.1 R51.1 R53.1 R55.1 R59.1 R61.1 R63.1 R65.1 R67.1 R69.1 R72.1 R74.1 R75.1 S2.2 U1.2 U2.2 U3.4 U4.7 U4.12 U4.17 U5.8 U8.12 U8.18 U8.31 U8.47 U8.63 U9.8 U10.2 U11.4 U12.1 U12.4 U13.1 U14.4 U15.2 U16.2 U17.8 Y2.2 Y2.4 | length 56.2
  Top Layer (SIG) w0.254: U12.1@13.155,68.675 13.155,68.145 v1(13.4,67.9) ; 19.6,14.3 19.6,14.275 D7.A@21.1,14.275 ; U1.2@27.2,84.75 27.208,84.758 27.208,85.663 v1(27.217,85.672) ; C1.1@35.212,85.762 35.162,85.762 35,85.923 35,86.5 35.6,87.1 v1(35.6,88.2) ; U9.8@36.8,21.659 37.501,21.659 38.327,20.833 39.917,20.833 40.574,21.49 v1(40.574,21.527) ; v1(38.9,86.4) 38.9,83.804 C3.1@38.75,83.654 38.975,83.429 R3.1@38.975,81.955 ; C49.1@41.4,45.5 v1(42.5,45.5) ; v1(50.376,21) 50.376,21.037 51.033,21.695 52.431,21.695 53.231,20.894 U5.8@54.2,20.894 ; C14.1@53.4,85.6 53.5,85.7 53.5,86.5 53.95,86.95 v1(53.95,88.2) ; v1(60.561,47.985) 60.561,48.052 60.9,48.391 60.9,49.45 C78.1@61,49.55 ; C86.1@62.491,9.58 62.491,8.509 v1@62.5,8.5 ; v1(63.8,80.1) U2.2@63.8,81.25 ; R8.1@64.9,84.849 64.905,84.854 v1(64.905,86.351) ; U4.7@65.875,35.8 67.45,35.8 v1(67.775,36.125) 68.726,35.174 68.726,34.249 U4.12@68.75,34.225 ; v1(74,60.7) 74.65,61.35 U17.8@74.65,62.1 ; U14.4@77.67,84.08 77.682,84.092 77.682,86.47 v1(77.695,86.482) ; Q7.S@79.595,69.7 79.595,69.89 80.158,70.453 80.253,70.453 v1(80.3,70.5) ; C80.1@80.225,74.825 80.25,74.8 v1(81.3,74.8)
  Bottom Layer (SIG) w0.254: v1(49.3,47.25) 49.425,47.25 49.925,47.75 U8.47@51.275,47.75 ; U8.31@53.725,38.8 53.725,37.375 54.225,36.875 v1(54.225,36.75) ; U8.18@60.225,38.8 60.225,37.619 60.405,37.439 60.486,37.439 60.925,37 C77.1@60.925,36.875 60.929,36.871 v1(60.929,36.842) ; U8.63@60.225,50.2 60.225,52.501 60.78,53.057 C75.1@60.905,53.057 60.913,53.064 60.913,53.705 v1(60.92,53.712) ; v1(61.1,43.45) 61.787,42.763 62.662,42.763 U8.12@62.675,42.75 ; C44.1@67.5,47.5 C45.1@67.5,48.55 ; Y2.2@69.05,47.125 69.175,47.125 69.921,47.871 70.18,47.871 v1(70.227,47.918) 70.268,47.918 71.225,48.875 Y2.4@71.35,48.875
  other v1: 71.95,3.45 71.125,5.225 29,8 30,8 31,8 32,8 33,8 34,8 35,8 36,8 37,8 38,8 62.5,8.534 29,9 30,9 31,9 32,9 33,9 34,9 35,9 36,9 37,9 38,9 72.075,9.5 29,10 30,10 31,10 32,10 33,10 34,10 35,10 36,10 37,10 38,10 65.738,10.235 72.082,11.144 18,12 19,12 20,12 18,13 19,13 20,13 18,14 19,14 18,15 19,15 32.65,17.026 26.225,17.875 50.125,19.375 40.825,19.927 59.949,19.969 29.6,21.565 50.125,22.626 64,23 64.75,23 65.5,23 66.25,23 67,23 67.75,23 68.5,23 40.825,23.227 61.375,25.95 58.4,26.275 12.275,26.725 39.05,27 35.063,27.117 38.35,28.55 61.793,28.628 58.625,31.875 72.25,32.5 51.675,33.076 48.125,34.6 58.65,35 84.499,35.325 67.1,35.45 67.775,35.45 68.5,35.45 77.5,36 78.5,36 79.5,36 80.5,36 67.1,36.125 68.5,36.125 67.1,36.8 67.775,36.8 68.5,36.8 77.5,37 78.5,37 79.5,37 80.5,37 30,37.75 31,37.75 32,37.75 33,37.75 34,37.75 35,37.75 36,37.75 37,37.75 38,37.75 39,37.75 40,37.75 41,37.75 42,37.75 43,37.75 77.5,38 78.5,38 79.5,38 80.5,38 30,38.75 31,38.75 32,38.75 33,38.75 34,38.75 35,38.75 36,38.75 37,38.75 38,38.75 39,38.75 40,38.75 41,38.75 42,38.75 43,38.75 76.5,39 77.5,39 78.5,39 79.5,39 80.5,39 30,39.75 31,39.75 32,39.75 33,39.75 34,39.75 35,39.75 36,39.75 37,39.75 38,39.75 39,39.75 40,39.75 41,39.75 42,39.75 43,39.75 76.5,40 77.5,40 78.5,40 79.5,40 80.5,40 56.45,40.8 86.3,42.1 56.3,42.85 68.9,42.934 26.7,43.174 28.375,43.425 32.045,43.595 41.149,43.875 59.55,44.35 84.75,44.375 41.4,47.15 67.5,48.025 81.875,48.165 28.1,48.575 64.525,49.3 81.875,50.705 24.5,55.25 25.5,55.25 26.5,55.25 27.5,55.25 28.5,55.25 29.5,55.25 30.5,55.25 31.5,55.25 46.65,55.35 47.65,55.35 48.65,55.35 49.65,55.35 50.65,55.35 51.65,55.35 52.65,55.35 53.65,55.35 24.5,56.25 25.5,56.25 26.5,56.25 27.5,56.25 28.5,56.25 29.5,56.25 30.5,56.25 31.5,56.25 46.65,56.35 47.65,56.35 48.65,56.35 49.65,56.35 50.65,56.35 51.65,56.35 52.65,56.35 53.65,56.35 24.5,57.25 25.5,57.25 26.5,57.25 27.5,57.25 28.5,57.25 29.5,57.25 30.5,57.25 46.65,57.35 47.65,57.35 48.65,57.35 49.65,57.35 50.65,57.35 51.65,57.35 52.65,57.35 73.076,57.725 76.32,57.725 74.72,57.976 24.5,58.25 25.5,58.25 26.5,58.25 27.5,58.25 28.5,58.25 29.5,58.25 30.5,58.25 46.65,58.35 47.65,58.35 48.65,58.35 49.65,58.35 50.65,58.35 51.65,58.35 52.65,58.35 24.5,59.25 25.5,59.25 26.5,59.25 27.5,59.25 28.5,59.25 46.65,59.35 47.65,59.35 48.65,59.35 49.65,59.35 50.65,59.35 7.15,60 67.6,60.775 11.475,64.325 14.15,64.326 7.775,68.025 83.166,68.162 74.795,68.749 75.051,75.313 66.8,76.8 74.801,76.938 46.4,77.9 38.8,78.7 42.895,79.495 66.8,79.5 52.624,79.77 26.2,80.6 44.6,85.6 22.251,86.478 23.251,86.478 22.251,87.478 23.251,87.478 22.251,88.478 23.251,88.478 28.3,88.674 26.6,88.925
  other v2: 12,1.82 78,1.82 10.515,2.435 13.485,2.435 76.515,2.435 79.485,2.435 9.9,3.92 14.1,3.92 75.9,3.92 80.1,3.92 10.515,5.405 13.485,5.405 76.515,5.405 79.485,5.405 12,6.02 78,6.02 22.775,24.925 45.275,24.925 67.775,24.925 21.149,25.599 24.401,25.599 43.649,25.599 46.901,25.599 66.149,25.599 69.401,25.599 20.475,27.225 25.075,27.225 42.975,27.225 47.575,27.225 65.475,27.225 70.075,27.225 21.149,28.851 24.401,28.851 43.649,28.851 46.901,28.851 66.149,28.851 69.401,28.851 22.775,29.525 45.275,29.525 67.775,29.525 22.775,66.975 45.275,66.975 67.775,66.975 21.149,67.649 24.401,67.649 43.649,67.649 46.901,67.649 66.149,67.649 69.401,67.649 20.475,69.275 25.075,69.275 42.975,69.275 47.575,69.275 65.475,69.275 70.075,69.275 21.149,70.901 24.401,70.901 43.649,70.901 46.901,70.901 66.149,70.901 69.401,70.901 22.775,71.575 45.275,71.575 67.775,71.575 15.89,89.79 75.625,89.79 14.405,90.405 17.375,90.405 74.14,90.405 77.11,90.405 13.79,91.89 17.99,91.89 73.525,91.89 77.725,91.89 14.405,93.375 17.375,93.375 74.14,93.375 77.11,93.375 15.89,93.99 75.625,93.99
  other v3: 5,2.7 85,2.7 3.374,3.374 6.626,3.374 83.374,3.374 86.626,3.374 2.7,5 7.3,5 82.7,5 87.3,5 3.374,6.626 6.626,6.626 83.374,6.626 86.626,6.626 5,7.3 85,7.3 8.89,88.51 82.55,88.51 7.264,89.184 10.516,89.184 80.924,89.184 84.176,89.184 6.59,90.81 11.19,90.81 80.25,90.81 84.85,90.81 7.264,92.436 10.516,92.436 80.924,92.436 84.176,92.436 8.89,93.11 82.55,93.11
LED0: D8.K U8.59 | length 43.9
  Layer 2 (SIG) w0.254: v1(59.037,56.617) 59.037,66.237 69.2,76.4 v1(69.2,89.6)
  Bottom Layer (SIG) w0.254: U8.59@58.225,50.2 58.225,55.279 58.99,56.043 58.99,56.57 v1(59.037,56.617)
LED1: D9.K U8.58 | length 41.2
  Layer 2 (SIG) w0.254: v1(58.299,56.137) 58.299,67.099 59.7,68.5 59.7,81.6 61.964,83.864 61.964,89.559 v1(62.008,89.604)
  Bottom Layer (SIG) w0.254: U8.58@57.725,50.2 57.725,55.562 v1(58.299,56.137)
nACOK: U4.3 U8.8 | length 10.1
  Top Layer (SIG) w0.25: v1(66.236,42.77) 66.255,42.75 66.255,42.145 67.45,40.95 U4.3@67.45,38.025
  Bottom Layer (SIG) w0.25: U8.8@62.675,44.75 64.998,44.75 66.236,43.512 v1(66.236,42.77)
nCHG_EN: U4.6 U8.10 | length 11.6
  Top Layer (SIG) w0.254: v1(64.428,36.455) 64.431,36.453 65.872,36.453 U4.6@65.875,36.45
  Bottom Layer (SIG) w0.254: U8.10@62.675,43.75 64.325,43.75 65.825,42.25 65.825,37.852 v1(64.428,36.455)
nCHGOK: U4.4 U8.9 | length 9.1
  Top Layer (SIG) w0.25: v1(65.682,43.11) 65.682,42.018 66.8,40.9 U4.4@66.8,38.025
  Bottom Layer (SIG) w0.25: U8.9@62.675,44.25 64.604,44.25 65.682,43.172 v1(65.682,43.11)
NetB1_1: B1.1 F3.2 | length 9.4
  Bottom Layer (SIG) w1.5: F3.2@69.617,83.775 B1.1@79.025,83.775
NetB1_2: B1.2 R23.1 R24.1 R68.1 R78.2 | length 115.8
  Top Layer (SIG) w0.254: R78.2@22.7,53.425 22.7,52.481 23.65,51.531 v1(23.65,49.174)
  Layer 5 (SIG) w0.254: v1(23.65,49.174) 23.65,39.85 v1(25.975,37.525)
  Bottom Layer (SIG) w0.254: v1(23.65,49.174) 23.65,43.793 16,36.143 16,19.75 19,16.75 28.625,16.75 29.625,15.75 72.05,15.75 75.025,12.775 B1.2@79.025,12.775
  other v1: 74.5,11.75 75.5,11.75 76.5,11.75 74.5,12.75 75.5,12.75 76.5,12.75 74.5,13.75 75.5,13.75 76.5,13.75
NetB1_3: B1.3 F2.2 | length 9.4
  Bottom Layer (SIG) w1.5: F2.2@47.117,12.775 B1.3@56.525,12.775
NetB1_5: B1.5 F1.2 | length 9.4
  Bottom Layer (SIG) w1.5: F1.2@24.617,83.775 B1.5@34.025,83.775
NetC1_2: C1.2 D1.K R1.1 | length 1.9
  Top Layer (SIG) w0.254: C1.2@35,83.8 35.1,83.7 D1.K@36.85,83.7
NetC2_2: C2.2 R2.1 R3.2 U3.3 | length 5.9
  Top Layer (SIG) w0.254: R2.1@40.499,80.354 40.739,80.594 42.724,80.594 U3.3@42.895,80.765 ; R3.2@40.524,81.955 40.524,80.354 40.524,78.776 C2.2@40.6,78.7
NetC3_2: C3.2 U3.1 U3.2 U8.16 | length 59.8
  Top Layer (SIG) w0.254: C3.2@40.55,83.654 40.55,83.628 40.873,83.305 U3.1@42.895,83.305 U3.2@42.895,82.035
  Layer 2 (SIG) w0.254: v1(42.957,82.102) 41.512,80.657 41.512,55.006 44.721,51.797 48.871,51.797 51.709,48.959 51.709,46.775 54.934,43.55 57.247,43.55 59.614,41.183 v1(60.334,41.183)
  Bottom Layer (SIG) w0.254: v1(60.334,41.183) 60.361,41.183 60.794,40.75 U8.16@62.675,40.75
NetC5_2: C5.2 R4.2 U1.1 U8.17 | length 70.1
  Top Layer (SIG) w0.254: C5.2@26.6,87.125 v1(28.3,87.126) ; U1.1@28.15,84.75 28.15,86.976 v1(28.3,87.126)
  Layer 2 (SIG) w0.254: v1(28.3,87.126) 28.3,86.6 41.128,73.772 41.128,54.847 44.562,51.413 48.712,51.413 51.325,48.8 51.325,46.525 55.55,42.3 57.749,42.3 58.455,41.594 v1(58.485,41.594)
  Bottom Layer (SIG) w0.254: v1(58.485,41.594) 58.485,41.558 59.19,40.853 59.947,40.853 60.712,40.088 60.712,38.813 U8.17@60.725,38.8
NetC14_2: C14.2 D3.K R5.1 | length 1.8
  Top Layer (SIG) w0.254: C14.2@53.4,83.8 53.5,83.7 D3.K@55.199,83.7
NetC15_2: C15.2 R6.1 R7.2 U3.5 | length 6.3
  Top Layer (SIG) w0.254: C15.2@48.2,77.9 48.2,79.4 U3.5@48.105,79.495 50.802,79.495 R7.2@51.075,79.77 R7.2@51.075,79.77 51.1,79.795 R6.1@51.1,81.37
NetC17_2: C17.2 R8.2 U2.1 U8.15 | length 52.8
  Top Layer (SIG) w0.254: v1(64.005,41.222) 64.005,60.605 68.7,65.3 70.22,65.3 71.8,66.88 71.8,78.1 68.6,81.3 C17.2@66.8,81.3 66.75,81.25 U2.1@64.75,81.25 64.75,83.15 R8.2@64.9,83.3
  Bottom Layer (SIG) w0.254: U8.15@62.675,41.25 62.688,41.237 63.99,41.237 v1(64.005,41.222)
NetC18_2: C18.2 U3.6 U3.7 U8.14 | length 64.7
  Top Layer (SIG) w0.254: C18.2@46.4,85.6 46.4,81.425 47.06,80.765 v1(48.105,80.765) U3.7@48.105,82.035
  Layer 2 (SIG) w0.254: v1(48.105,80.765) 45.59,80.765 41.896,77.071 41.896,55.165 44.88,52.181 49.03,52.181 52.093,49.118 52.093,46.934 55.093,43.934 57.621,43.934 59.814,41.741 v1(59.814,41.7)
  Bottom Layer (SIG) w0.254: v1(59.814,41.7) 59.861,41.747 60.059,41.747 60.062,41.75 U8.14@62.675,41.75
NetC22_2: C22.2 R9.2 R76.2 U4.16 U17.6 | length 6.2
  Top Layer (SIG) w0.254: R76.2@69.2,62.324 69.233,62.358 70.992,62.358 71.3,62.05 ; R9.2@70.8,42.099 74.524,42.099 74.7,42.275
NetC23_2: C23.2 R9.1 U4.1 | length 4.6
  Top Layer (SIG) w0.254: U4.1@68.75,38.025 68.75,40.45 C23.2@68.9,40.6 70.75,40.6 R9.1@70.8,40.55
NetC24_1: C24.1 U4.14 | length 3.2
  Top Layer (SIG) w0.25: U4.14@69.675,35.8 70.424,35.8 71.75,34.474 71.75,34.425 72.075,34.1 C24.1@72.175,34.1
NetC24_2: C24.2 D5.K L3.1 U4.15
NetC25_2: C25.2 U4.13 | length 3
  Top Layer (SIG) w0.25: U4.13@69.675,35.15 69.675,33.375 70.45,32.6 C25.2@70.45,32.5